# Altium PCB PowerBoardController.PcbDoc (part 1 of 2)
Units mil, origin at the board's own origin, x right, y up, seen from the top; angles counter-clockwise.
Board outline 4724.41 x 3149.61 mil, 4 copper layers (Top Layer, GND, 3.3V, Bottom Layer), stack 35.6 mil thick; 198 components, 165 nets, 695 pads, 168 vias.
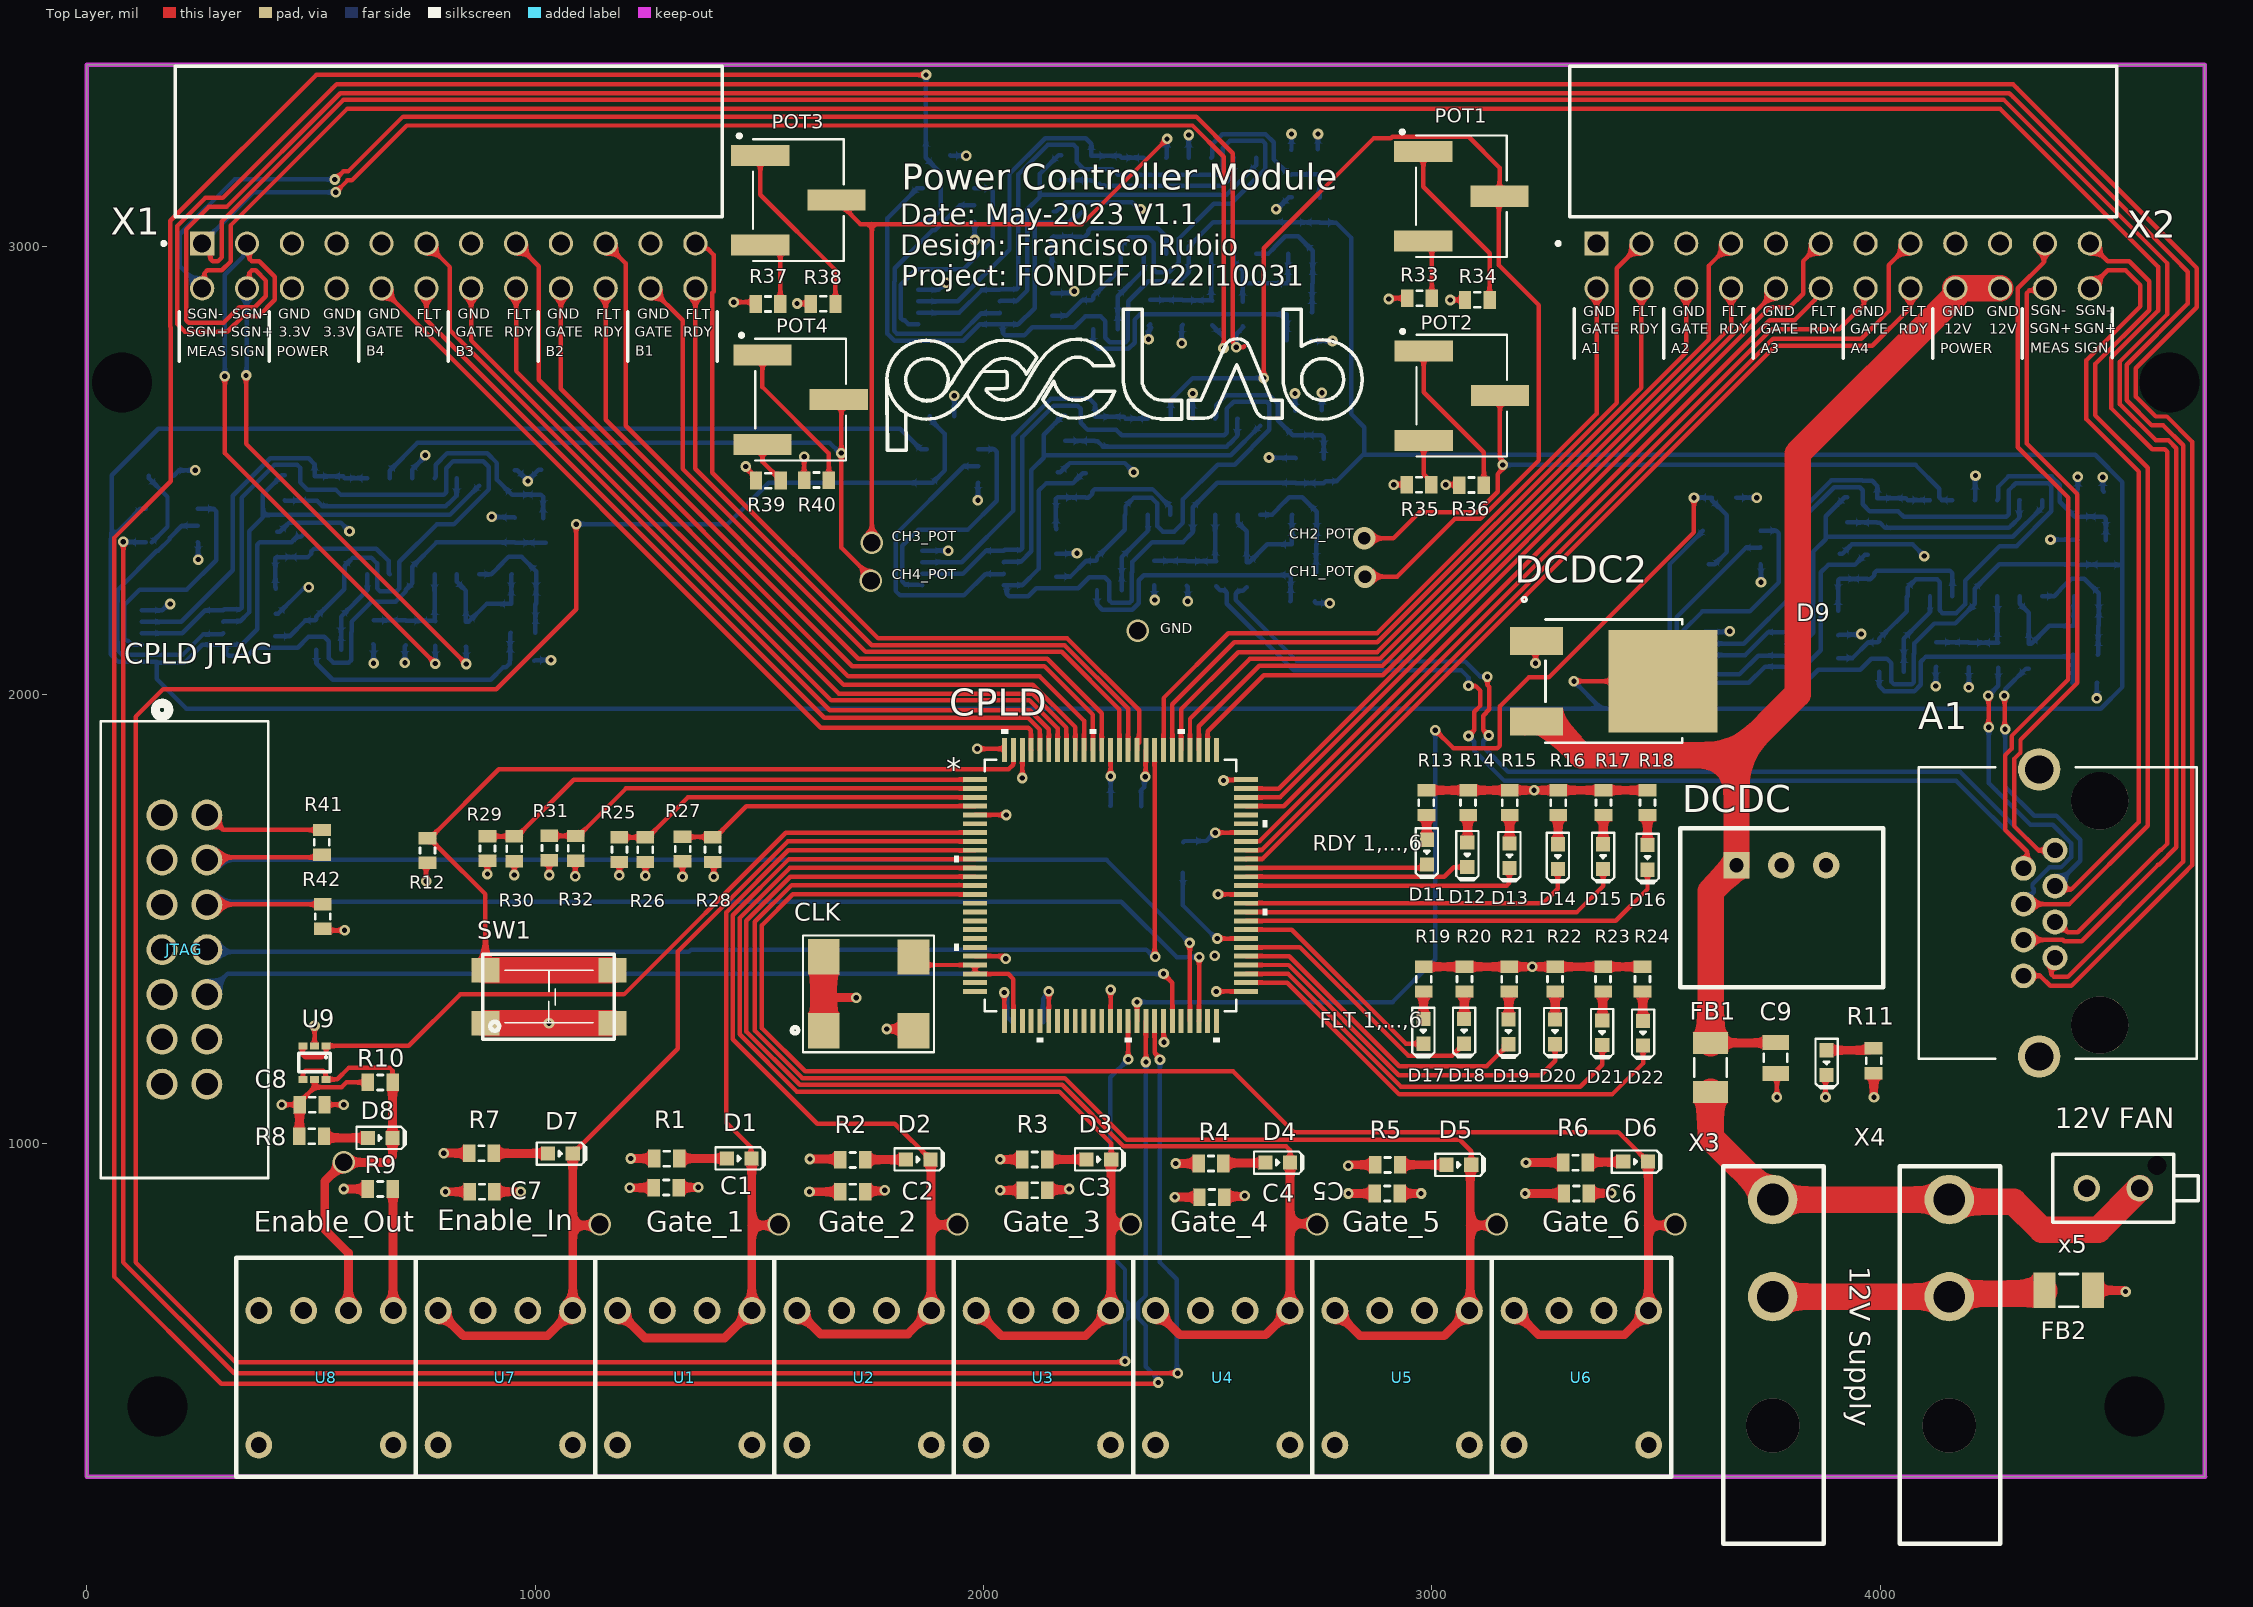
[diagram p0: Top Layer view]
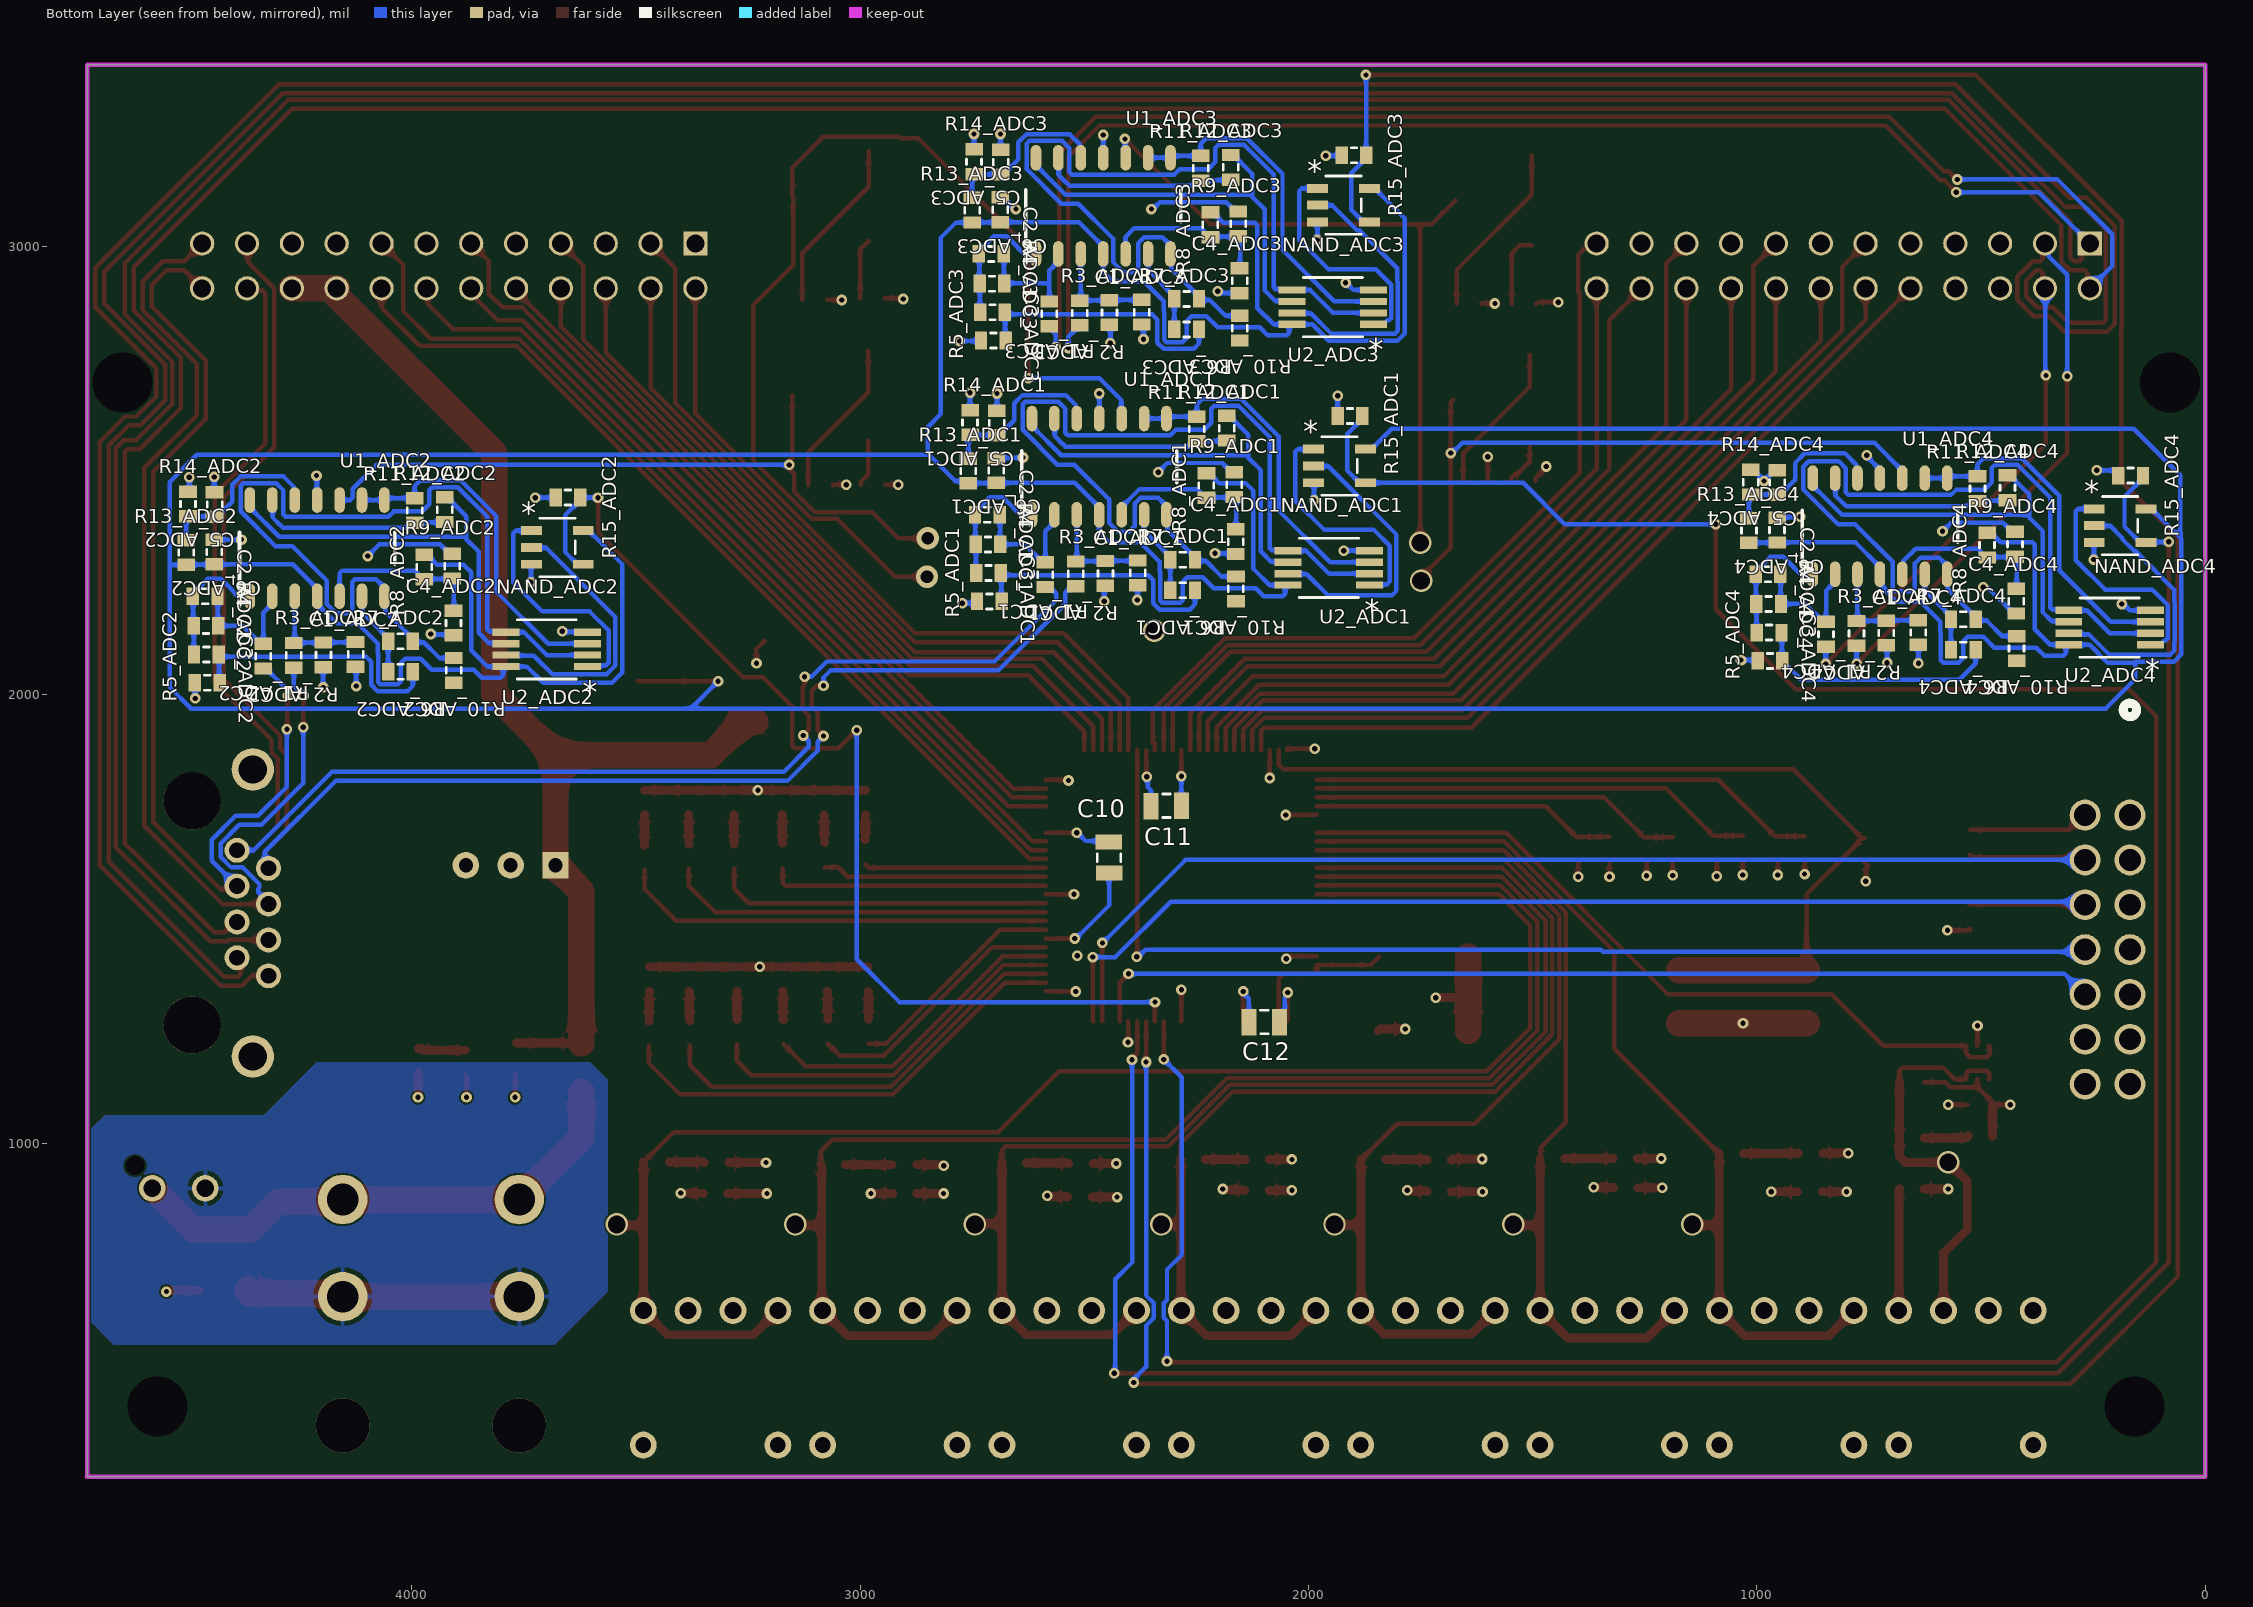
[diagram p1: Bottom Layer view, seen from below]
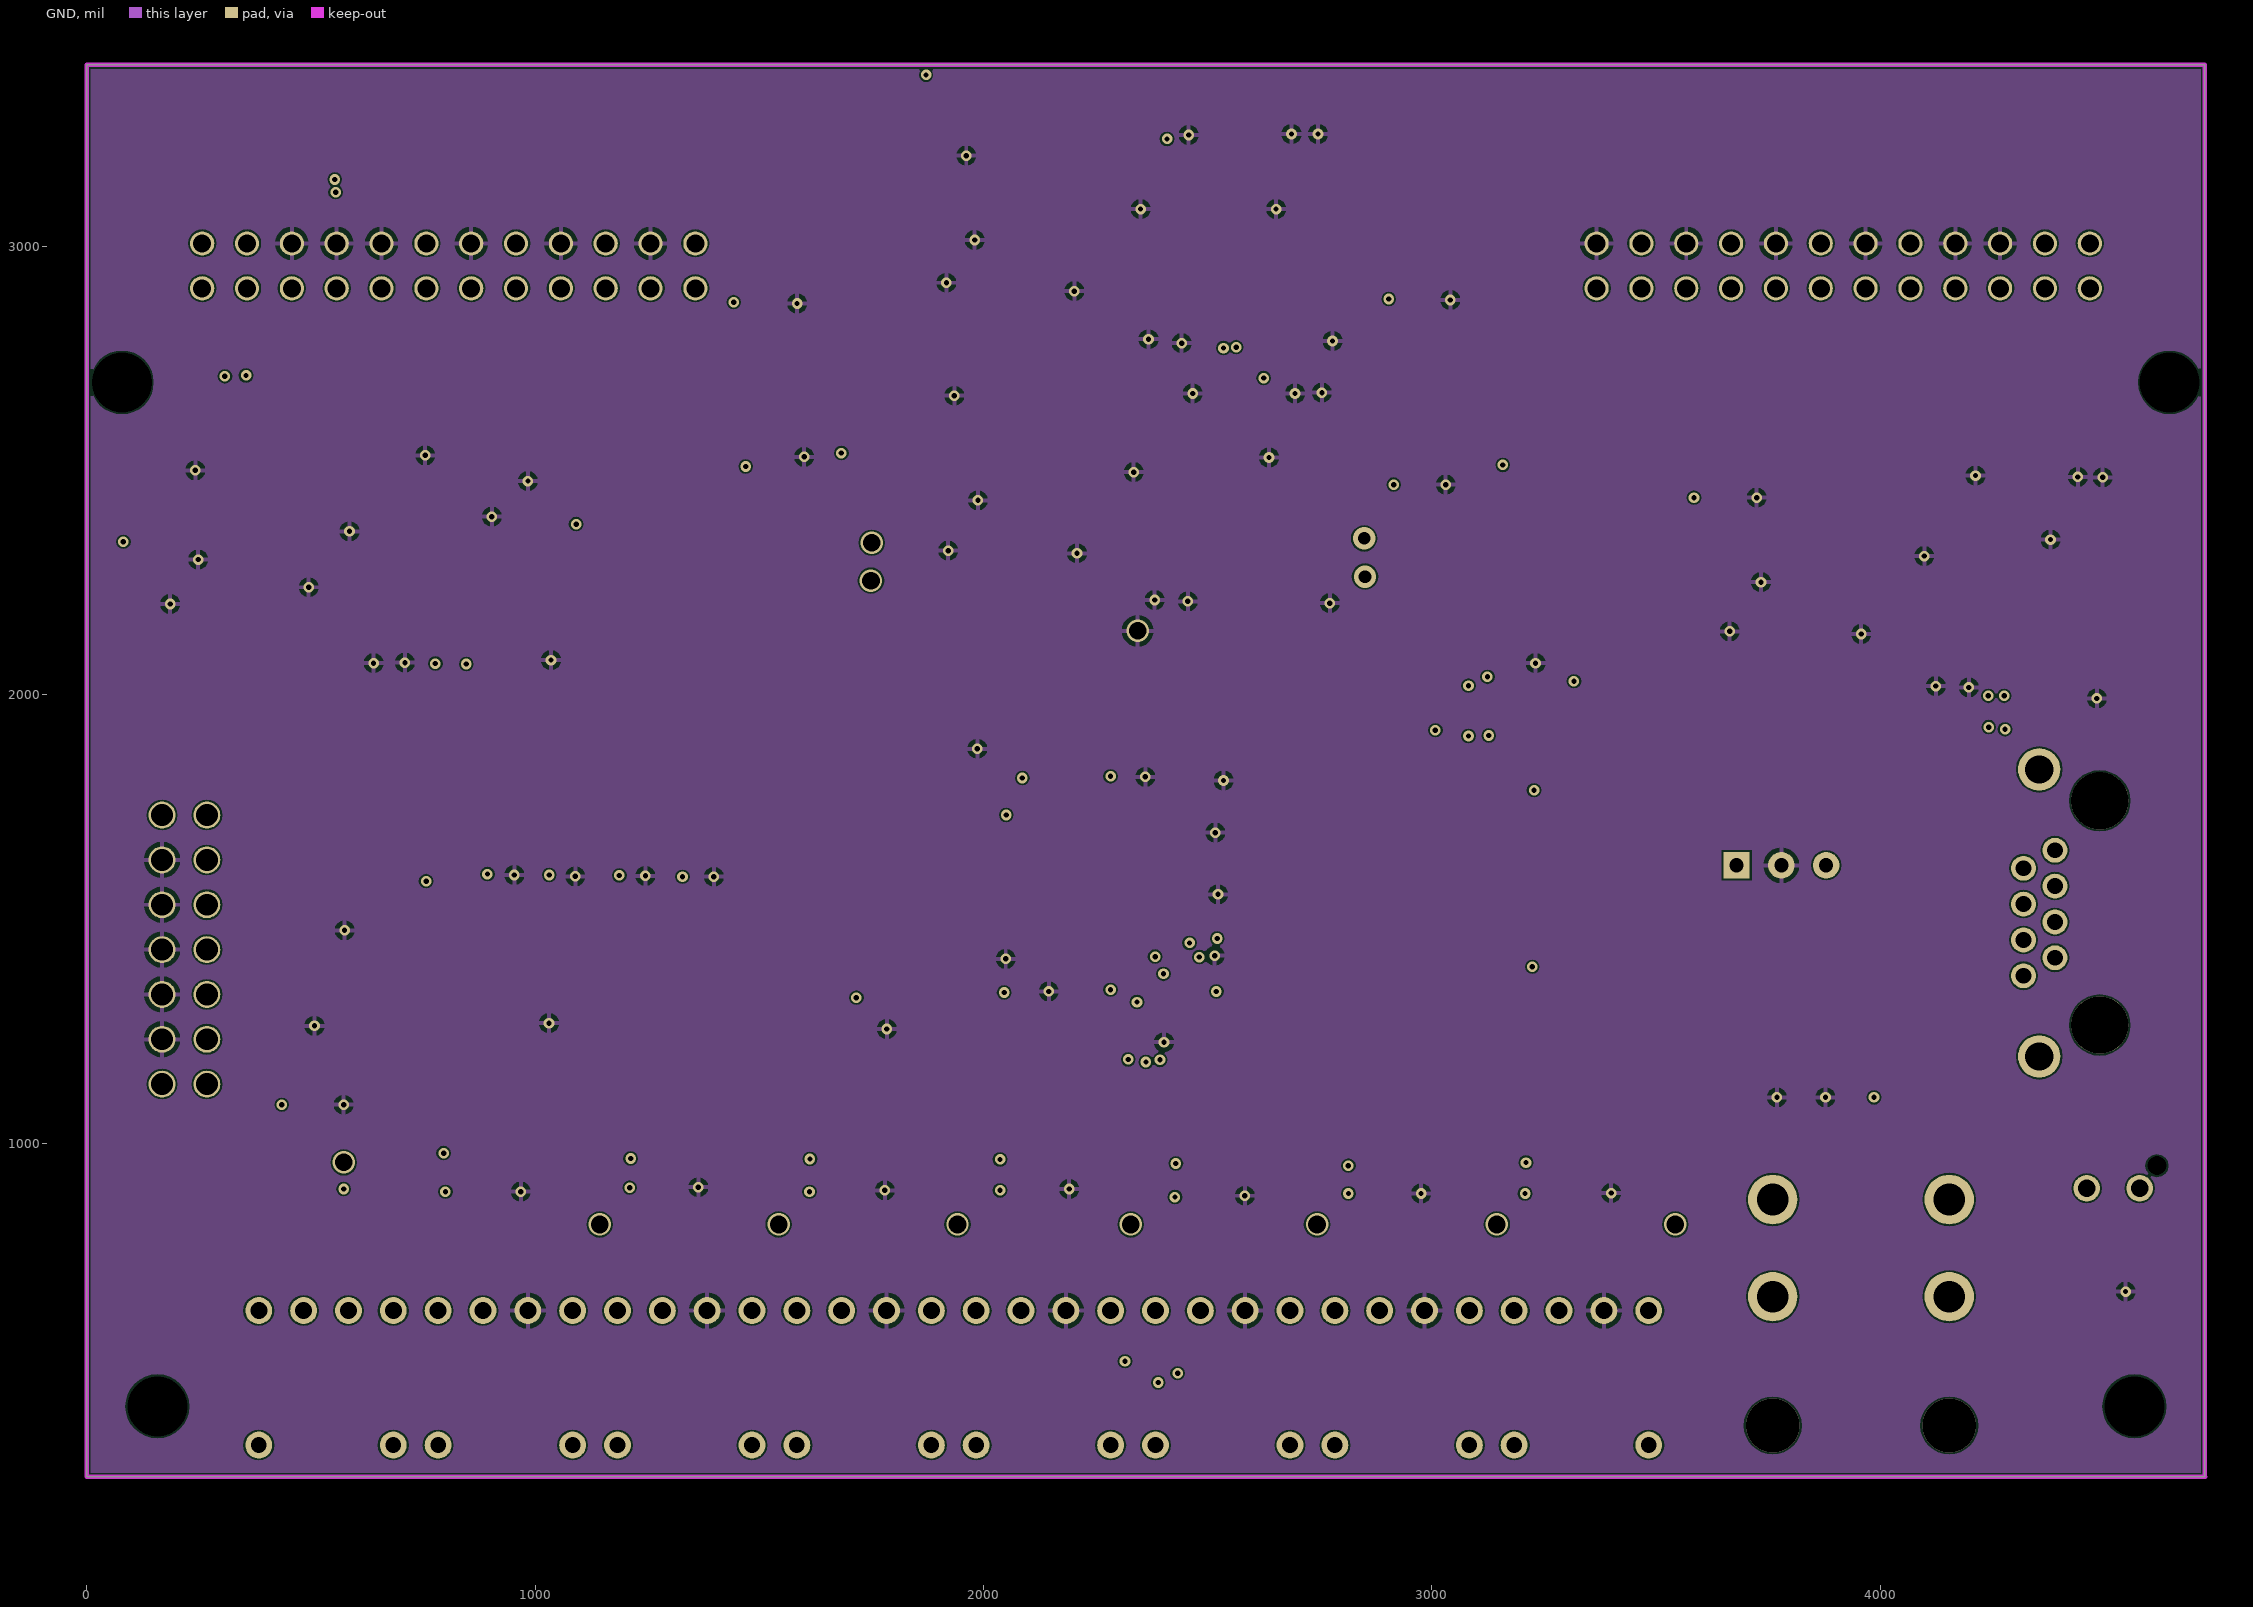
[diagram p2: GND]